# Altium PCB Tango V1.0.PcbDoc (part 2 of 3)
Units mm, origin at the board's own origin, x right, y up, seen from the top; angles counter-clockwise.
Board outline 150.29 x 75.25 mm, 4 copper layers (Top Layer, GND, VCC, Bottom Layer), stack 0.914 mm thick; 182 components, 171 nets, 697 pads, 545 vias.
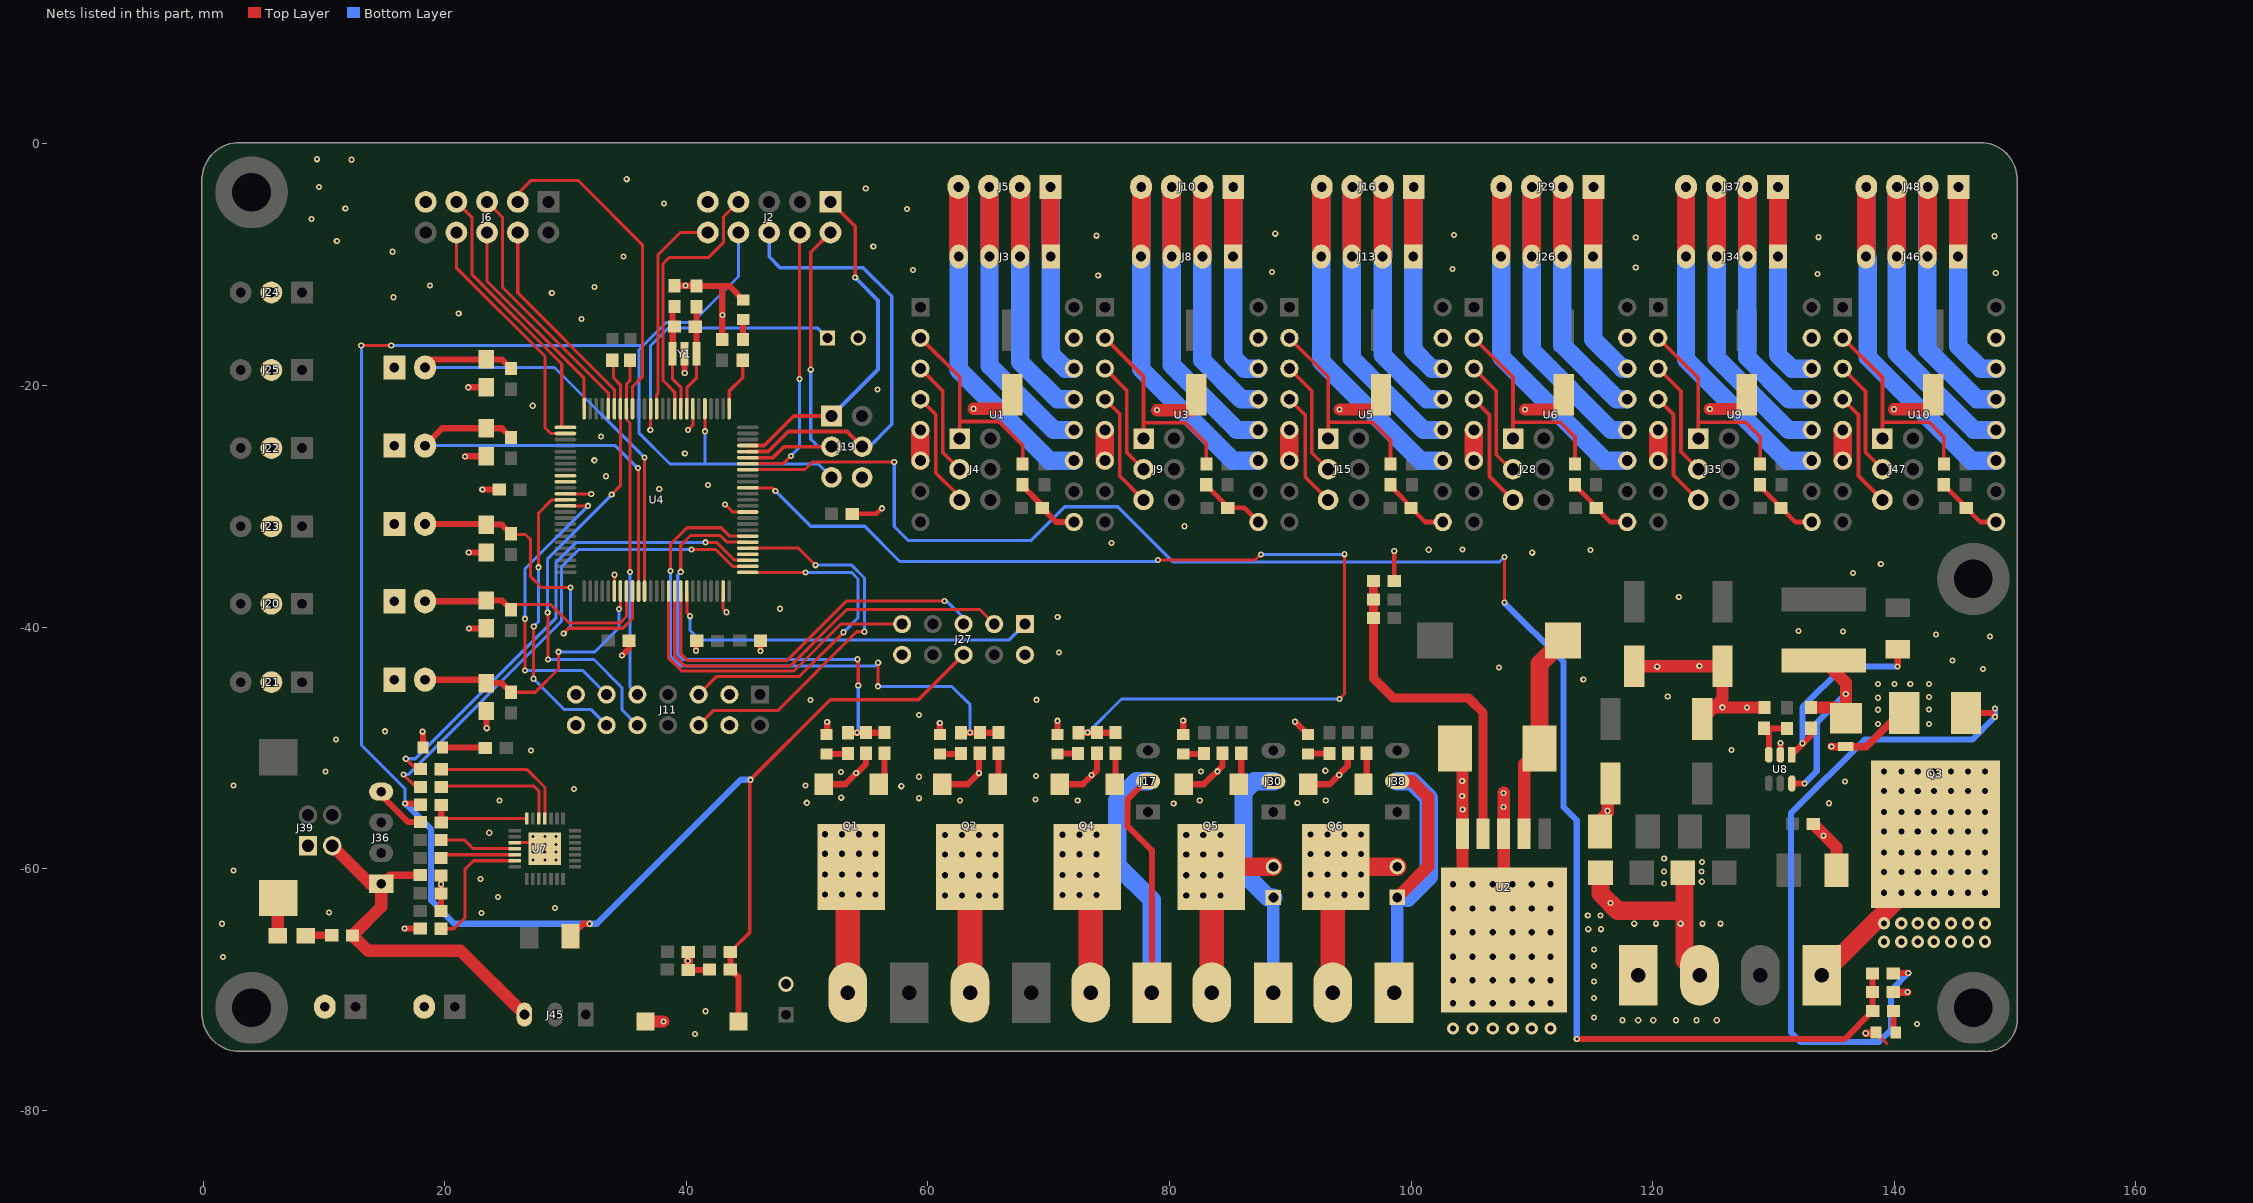
[diagram p4: the nets of this part, all layers, seen from the top]

## Via types
v1: diameter 0.508, hole 0.254, Top Layer to Bottom Layer, 362 vias
v2: diameter 1.016, hole 0.508, Top Layer to Bottom Layer, 180 vias
v3: diameter 0.8, hole 0.4, Top Layer to Bottom Layer, 3 vias

## Nets (pads, with @x,y where several pads share a name; then routed paths per layer and width w, separated by ;. In a path a pad name is that pad's centre, name@x,y a point inside that pad or via, vN(x,y) a via of type N, cw(c..) or ccw(c..) an arc to the next point about the centre after c; other vN are vias at no path point) (continued)
GND: C1.2 C2.2 C3.2 C4.2 C5.2 C6.2 C8.2 C9.2 C10.2 C11.1 C12.2 C13.2 C14.1 C15.1 C16.2 C17.2 C18.1 C19.2 C22.2 C23.2 C24.2 C25.2 C26.2 C27.2 C28.2 C29.2 C30.2 C32.2 C33.2 C34.1 C35.1 C36.1 C37.1 C38.1 D1.1 D2.2 D3.2 D4.2 D5.2 D7.2 D8.2 D11.1 D12.1 D13.2 D14.1 D15.2 J2.9 J6.9 J11.3 J11.4 J14.2 J19.6 J20.2 J21.2 J22.2 J23.2 J24.2 J25.2 J27.2 J27.10 J33.1 J36.4 J39.1 J42.2 J43.2 J44.2 J49.1 J50.1 J51.1 J52.1 J53.1 K1.1 Q1.S Q2.S Q3.S Q4.S Q5.S Q6.S R2.1 R5.2 R6.1 R9.1 R12.1 R15.1 R17.1 R26.1 R28.1 R31.1 R37.1 R39.1 R40.2 R43.1 R45.1 U1.9 U1.15 U2.3 U2.5 U2.6 U3.9 U3.15 U4.11 U4.32 U4.62 U4.81 U4.99 U5.9 U5.15 U6.9 U6.15 U7.0@28.287,-58.342 U7.3 U8.2 U9.9 U9.15 U10.9 U10.15 Y1.2 Z1.1 Z2.1 Z3.1 | length 214.6
  Top Layer w0.254: U7.3@25.787,-57.842 27.787,-57.842 U7.0@28.287,-58.342 ; U4.62@29.984,-28.965 v1(32.119,-28.965) ; U4.81@34.034,-37.015 v1(34.034,-35.66) v1@34.039,-35.655 ; v1(40.139,-23.684) 40.534,-23.289 U4.32@40.534,-21.915 ; U4.99@43.034,-37.015 43.034,-38.469 v1(43.333,-38.768) ; v1(43.19,-29.832) 43.823,-30.465 U4.11@45.084,-30.465 ; D4.2@138.498,-73.541 138.498,-73.577 139.386,-74.465
  Top Layer w0.381: C10.2@53.724,-30.625 55.718,-30.625 v1(56.183,-30.16) ; R9.1@83.035,-28.205 83.318,-28.488 83.318,-28.536 84.814,-30.032 C12.2@84.814,-30.13 86.181,-30.13 U3.9@87.346,-31.295 ; C13.2@97.509,-21.44 C13.2@97.509,-20.757 ; R17.1@98.287,-28.205 98.555,-28.473 98.555,-28.592 99.991,-30.028 C17.2@99.991,-30.13 101.156,-31.295 U5.9@102.617,-31.295 ; R5.2@98.602,-36.174 v1(98.602,-33.708) v1@98.615,-33.695 ; C19.2@112.465,-20.917 C19.2@112.625,-20.757 ; R28.1@113.551,-28.205 113.668,-28.322 113.668,-28.379 115.32,-30.032 C22.2@115.32,-30.13 116.485,-31.295 U6.9@117.889,-31.295 ; C27.2@127.653,-20.894 C27.2@127.791,-20.757 ; R39.1@128.886,-28.205 128.886,-28.39 C30.2@130.626,-30.13 131.79,-31.295 U9.9@133.16,-31.295 ; C32.2@143.214,-21.626 C32.2@143.214,-20.757 ; R45.1@144.093,-28.205 145.955,-30.067 C33.2@145.955,-30.131 147.119,-31.295 U10.9@148.432,-31.295
  Top Layer w0.508: J36.4@14.731,-53.622 14.731,-53.898 16.978,-56.146 R31.1@17.982,-56.146 ; v1@16.663,-64.957 v1(16.665,-64.96) C26.2@17.963,-64.96 ; v1(18.159,-48.654) 18.185,-48.68 D7.2@18.185,-49.964 ; Z3.1@19.683,-63.496 Z2.1@19.683,-62.042 Z1.1@19.683,-60.545 ; v1(21.679,-25.879) 21.709,-25.85 C35.1@23.438,-25.85 ; v1@21.918,-20.162 v1(21.936,-20.144) C34.1@23.438,-20.144 ; v1(21.982,-33.811) 23.429,-33.811 C36.1@23.438,-33.82 ; v1(22.015,-40.105) C37.1@23.438,-40.105 ; v1@23.096,-28.619 v1(23.102,-28.613) C11.1@24.506,-28.613 ; C38.1@23.438,-46.94 23.438,-48.332 v1(23.47,-48.365) ; v1(34.668,-42.347) 35.245,-41.769 C4.2@35.245,-41.126 ; C16.2@38.861,-11.736 C16.2@39.009,-11.736 40.812,-11.736 C18.1@40.831,-11.755 42.966,-11.755 ; Y1.2@39.854,-17.371 39.854,-18.966 v1(39.86,-18.972) ; C29.2@40.147,-68.366 C29.2@40.143,-68.37 41.887,-68.37 C14.1@41.916,-68.34 ; v1(40.785,-41.953) 40.785,-41.197 C3.2@40.855,-41.126 ; C15.1@42.967,-16.184 42.967,-11.756 42.966,-11.755 ; D5.2@44.706,-12.918 43.542,-11.755 42.966,-11.755 ; v1(46.137,-41.973) C2.2@46.137,-41.126 ; Q1.S@51.36,-53.002 53.164,-53.002 54.869,-51.298 R6.1@54.869,-50.439 ; D2.2@51.6,-48.874 51.654,-48.82 v1(51.654,-47.849) ; D3.2@60.977,-48.874 v1(60.977,-47.926) ; Q2.S@61.187,-53.002 63.303,-53.002 v1(64.214,-52.092) 64.214,-50.509 R12.1@64.283,-50.439 ; R2.1@67.824,-28.205 67.824,-28.31 69.454,-29.94 C8.2@69.454,-30.13 70.619,-31.295 U1.9@72.074,-31.295 ; D8.2@70.713,-48.874 v1(70.713,-47.752) ; Q4.S@70.895,-53.002 72.831,-53.002 73.994,-51.839 R26.1@73.994,-50.439 ; v1(81.128,-47.729) 81.133,-47.734 D13.2@81.133,-48.874 ; Q5.S@81.167,-53.002 82.843,-53.002 84.39,-51.456 R37.1@84.39,-50.439 ; v1(90.391,-47.835) 90.405,-47.835 D15.2@91.444,-48.874 ; Q6.S@91.48,-53.002 93.241,-53.002 94.756,-51.488 R43.1@94.756,-50.439 ; C13.2@97.383,-21.565 C13.2@97.509,-21.44 ; U8.2@130.565,-50.564 v1(130.565,-49.595)
  Top Layer w0.635: v1(134.783,-49.874) 134.82,-49.911 135.949,-49.911 D12.1@135.969,-49.891 137.686,-49.891 140.465,-47.112 Q3.S@140.825,-47.112 ; v1(137.633,-73.62) 138.419,-73.62 138.454,-73.585 D4.2@138.454,-73.391 ; R15.1@139.915,-70.218 v1(141.097,-70.218) v1@141.115,-70.236
  Top Layer w0.762: C29.2@40.147,-68.366 C28.2@40.147,-66.883
  Top Layer w1.016: K1.1@36.609,-72.636 36.59,-72.654 v1(38.089,-72.654) ; v1(63.765,-21.92) 66.448,-21.92 66.968,-21.4 C1.2@66.968,-20.757 ; v1(78.96,-22.016) 78.98,-22.037 81.944,-22.037 82.076,-21.905 81.869,-21.699 81.869,-21.09 C9.2@82.203,-20.757 ; v1(94.082,-21.974) 97.015,-21.974 97.116,-21.872 97.116,-21.832 C13.2@97.383,-21.565 ; D1.1@103.629,-50.063 104.258,-50.692 U2.5@104.258,-57.11 104.258,-62.49 U2.6@107.658,-65.89 ; U2.6@107.654,-66.5 107.685,-66.47 U2.6@107.685,-65.916 U2.6@107.658,-65.89 ; v1@107.673,-53.707 v1(107.658,-53.722) U2.3@107.658,-57.11 U2.6@107.658,-65.89 ; v1(109.425,-21.978) 112.224,-21.978 112.465,-21.736 C19.2@112.465,-20.917 ; D11.1@115.625,-56.922 115.625,-56.013 116.286,-55.352 116.286,-53.151 C6.2@116.5,-52.937 ; C5.2@118.48,-43.242 C25.2@125.774,-43.242 125.774,-45.924 125.05,-46.648 ; C24.2@124.095,-47.603 125.05,-46.648 ; v1(124.723,-21.934) 127.11,-21.934 127.901,-21.142 C27.2@127.653,-20.894 ; R40.2@129.236,-46.648 125.05,-46.648 ; C23.2@133.29,-56.289 135.22,-58.219 D14.1@135.22,-60.124 ; v1(139.967,-21.961) 142.88,-21.961 C32.2@143.214,-21.626
  Bottom Layer w0.254: v1@32.115,-28.961 v1(32.119,-28.965)
  other v1: 40.723,-73.692 141.879,-72.844 117.5,-72.544 118.803,-72.544 120.043,-72.544 115.127,-72.314 41.595,-71.797 115.127,-70.714 115.127,-69.337 115.127,-68.054 40.112,-67.623 1.634,-67.303 115.127,-66.688 1.559,-64.557 23.045,-63.674 10.4,-63.62 29.109,-63.248 24.416,-62.348 19.68,-61.283 22.941,-60.846 2.516,-60.137 27.295,-59.291 28.296,-59.291 29.205,-59.291 27.295,-58.612 28.296,-58.612 29.205,-58.612 27.295,-57.977 28.296,-57.977 29.205,-57.977 27.295,-57.333 28.296,-57.333 29.205,-57.333 134.129,-57.264 23.676,-57.02 116.266,-55.203 104.266,-55.099 107.639,-54.905 80.343,-54.592 134.6,-54.578 49.968,-54.543 90.574,-54.547 24.532,-54.366 62.638,-54.358 92.932,-54.36 72.394,-54.337 82.498,-54.346 68.903,-54.261 59.249,-54.162 52.813,-54.12 104.226,-53.974 30.693,-53.41 57.791,-53.167 2.499,-53.124 49.872,-53.11 135.93,-52.777 104.226,-52.743 59.249,-52.386 68.946,-52.309 73.529,-52.23 94.049,-52.232 54.057,-52.073 52.804,-51.991 10.111,-51.951 82.587,-51.955 83.956,-51.935 92.893,-51.891 27.135,-50.213 126.514,-50.181 10.989,-49.304 15.033,-48.623 142.878,-48.03 138.66,-48.02 59.259,-47.264 138.66,-46.836 142.878,-46.806 125.758,-46.634 127.817,-46.656 50.281,-46.02 68.992,-46.014 138.66,-45.845 142.878,-45.784 121.244,-45.732 138.66,-44.7 140.019,-44.7 141.325,-44.7 142.878,-44.7 114.251,-44.342 147.331,-43.46 107.268,-43.346 120.373,-43.274 123.855,-43.229 144.824,-42.76 70.855,-42.092 147.93,-40.783 143.457,-40.614 135.747,-40.373 132.071,-40.304 70.739,-39.148 47.761,-38.476 122.16,-37.493 136.565,-35.521 138.882,-34.785 110.021,-33.836 114.834,-33.607 101.458,-33.595 104.253,-33.582 75.184,-33.041 81.228,-31.644 37.753,-28.549 41.779,-28.238 33.33,-27.505 32.373,-26.188 39.866,-25.616 32.932,-24.213 27.278,-21.671 55.834,-20.338 31.305,-14.474 42.974,-14.168 21.149,-14.04 15.765,-12.688 28.855,-12.331 32.377,-11.846 18.776,-11.718 39.927,-11.702 74.092,-10.874 133.628,-10.75 148.397,-10.689 88.478,-10.601 58.764,-10.421 103.428,-10.355 118.596,-10.229 34.782,-9.319 15.673,-8.923 55.472,-8.49 11.057,-8.021 118.596,-7.746 133.735,-7.717 148.29,-7.638 73.947,-7.593 103.554,-7.542 88.751,-7.428 8.952,-6.217 58.248,-5.374 11.759,-5.347 38.158,-4.942 54.848,-3.694 9.588,-3.576 35.056,-2.915 12.277,-1.305 9.419,-1.26
  other v2: 103.457,-73.232 105.082,-73.232 106.761,-73.232 108.404,-73.232 109.982,-73.232 111.531,-73.232 103.457,-71.138 105.082,-71.138 106.761,-71.138 108.404,-71.138 109.982,-71.138 111.531,-71.138 103.457,-69.229 105.082,-69.229 106.761,-69.229 108.404,-69.229 109.982,-69.229 111.531,-69.229 103.457,-67.292 105.082,-67.292 106.761,-67.292 108.404,-67.292 109.982,-67.292 111.531,-67.292 103.457,-65.255 105.082,-65.255 106.761,-65.255 108.404,-65.255 109.982,-65.255 111.531,-65.255 103.457,-63.304 105.082,-63.304 106.761,-63.304 108.404,-63.304 109.982,-63.304 111.531,-63.304 103.457,-61.289 105.082,-61.289 106.761,-61.289 108.404,-61.289 109.982,-61.289 111.531,-61.289
HB: R13.2 R14.1 R15.2 U4.18 | length 142.9
  Top Layer w0.254: U4.18@45.084,-26.965 45.101,-26.948 49.819,-26.948 50.425,-26.342 57.205,-26.342 v1(57.207,-26.341) ; v1(107.722,-34.186) 107.725,-34.189 v1(107.725,-37.962)
  Top Layer w0.508: v1(113.715,-74.103) 135.886,-74.103 R14.1@138.214,-71.775 138.195,-71.756 R15.2@138.195,-70.208 R13.2@138.195,-68.665
  Bottom Layer w0.254: v1(57.207,-26.341) 57.207,-31.66 58.386,-32.84 68.513,-32.84 71.322,-30.031 75.709,-30.031 80.269,-34.591 107.318,-34.591 v1(107.722,-34.186)
  Bottom Layer w0.508: v1(107.725,-37.962) 112.622,-42.859 112.622,-54.896 113.715,-55.988 v1(113.715,-74.103)
HE-0: R3.2 R4.1 R6.2 U4.6 | length 39.5
  Top Layer w0.254: v1(39.53,-35.419) 39.53,-33.223 40.335,-32.418 42.814,-32.418 43.361,-32.965 U4.6@45.084,-32.965 ; v1(54.178,-42.657) 54.225,-42.704 v1(54.225,-44.828)
  Top Layer w0.508: R4.1@53.392,-48.738 56.377,-48.738 R3.2@56.396,-48.719
  Bottom Layer w0.254: v1(39.53,-35.419) 39.53,-35.44 39.285,-35.684 39.285,-42.256 39.695,-42.666 54.169,-42.666 v1(54.178,-42.657) ; v1(54.119,-48.739) 54.225,-48.633 v1(54.225,-44.828)
HE-1: R10.2 R11.1 R12.2 U4.7 | length 49.8
  Top Layer w0.254: v1(38.69,-35.353) 38.69,-33.132 40.05,-31.772 42.892,-31.772 43.585,-32.465 U4.7@45.084,-32.465 ; v1(55.874,-44.898) 55.877,-44.895 v1(55.877,-42.945)
  Top Layer w0.508: R11.1@62.749,-48.738 63.49,-48.738 65.823,-48.738 R10.2@65.842,-48.719
  Bottom Layer w0.254: v1(38.69,-35.353) 38.69,-42.393 39.522,-43.225 55.597,-43.225 v1(55.877,-42.945) ; v1(55.874,-44.898) 61.951,-44.898 63.49,-46.437 v1(63.49,-48.73)
HE-2: R22.2 R25.1 R26.2 U4.15 | length 89.4
  Top Layer w0.254: U4.15@45.084,-28.465 47.106,-28.465 v1(47.358,-28.716) ; v1(79.041,-34.448) 87.078,-34.448 87.548,-33.978 v1(87.554,-33.978) ; v1(94.061,-45.947) 94.48,-45.527 v1(94.48,-33.962)
  Top Layer w0.508: R25.1@72.444,-48.738 75.503,-48.738 R22.2@75.522,-48.719
  Bottom Layer w0.254: v1(47.358,-28.716) 50.29,-31.648 54.752,-31.648 57.671,-34.567 78.923,-34.567 v1(79.041,-34.448) ; v1(73.223,-48.737) 76.013,-45.947 v1(94.061,-45.947) ; v1(87.554,-33.978) 94.464,-33.978 v1(94.48,-33.962)
J-TCK: J27.1 U4.93 | length 32
  Top Layer w0.254: U4.93@40.034,-37.015 40.034,-38.774 40.295,-39.034 v1(40.295,-39.095)
  Bottom Layer w0.254: v1(40.295,-39.095) 40.295,-40.269 41.075,-41.049 66.72,-41.049 J27.1@68.023,-39.747
J-TDI: J27.9 U4.90 | length 26.9
  Top Layer w0.254: U4.90@38.534,-37.015 38.534,-42.564 39.603,-43.633 48.903,-43.633 52.789,-39.747 J27.9@57.863,-39.747
J-TDO: J27.3 U4.91 | length 34.6
  Top Layer w0.254: U4.91@39.034,-37.015 39.034,-42.413 39.822,-43.201 48.626,-43.201 53.298,-38.529 64.265,-38.529 J27.3@65.483,-39.747
J-TMS: J27.5 U4.92 | length 32
  Top Layer w0.254: U4.92@39.534,-37.015 39.534,-42.202 40.102,-42.769 48.317,-42.769 53.238,-37.849 v1(61.375,-37.849)
  Bottom Layer w0.254: v1(61.375,-37.849) 61.563,-37.849 62.943,-39.228 J27.5@62.943,-39.747
KILL: J2.10 U4.38 | length 17.7
  Top Layer w0.254: U4.38@37.534,-21.915 37.534,-20.759 37.647,-20.647 37.647,-9.168 39.486,-7.329 J2.10@41.769,-7.329
LCD-D4: J6.5 U4.46 | length 21.3
  Top Layer w0.254: J6.5@23.498,-4.789 24.774,-6.066 24.774,-11.848 33.534,-20.608 U4.46@33.534,-21.915
LCD-D5: J6.6 U4.50 | length 17.9
  Top Layer w0.254: J6.6@23.498,-7.329 23.498,-11.357 31.534,-19.393 U4.50@31.534,-21.915
LCD-D6: J6.7 U4.51 | length 22.5
  Top Layer w0.254: J6.7@20.958,-4.789 22.237,-6.069 22.237,-10.78 29.677,-18.219 29.677,-23.364 29.777,-23.465 U4.51@29.984,-23.465
LCD-D7: J6.8 U4.52 | length 21.1
  Top Layer w0.254: J6.8@20.958,-7.329 20.958,-10.244 28.304,-17.59 28.304,-23.513 28.755,-23.965 U4.52@29.984,-23.965
LCD-ENA: J6.3 U4.42 | length 27.5
  Top Layer w0.254: J6.3@26.038,-4.789 26.038,-4.118 27.119,-3.037 31.059,-3.037 36.351,-8.329 36.351,-19.273 35.534,-20.09 U4.42@35.534,-21.915
LCD-RS: J6.4 U4.45 | length 17.9
  Top Layer w0.254: J6.4@26.038,-7.329 26.038,-12.326 34.034,-20.322 U4.45@34.034,-21.915
LED: R18.2 U4.26 | length 4.5
  Top Layer w0.305: U4.26@43.534,-21.915 43.534,-20.48 44.665,-19.349 R18.2@44.665,-17.904
NetC7_1: C7.1 R5.1 R7.1 U2.4 | length 28.3
  Top Layer w0.762: R5.1@96.882,-36.184 R7.1@96.882,-37.711 C7.1@96.882,-39.246 96.882,-44.241 98.512,-45.871 104.747,-45.871 105.958,-47.082 U2.4@105.958,-57.11
NetC16_1: C16.1 R23.1 U4.34 Y1.3 | length 8.9
  Top Layer w0.254: Y1.3@38.863,-17.371 38.863,-19.478 39.534,-20.149 U4.34@39.534,-21.915
  Top Layer w0.508: C16.1@38.851,-13.456 38.851,-14.963 R23.1@39.01,-15.122 38.863,-15.268 Y1.3@38.863,-17.371
NetC18_2: C18.2 R23.2 U4.33 Y1.1 | length 8.9
  Top Layer w0.254: U4.33@40.034,-21.915 40.034,-20.169 40.844,-19.359 Y1.1@40.844,-17.371
  Top Layer w0.508: C18.2@40.821,-13.475 40.821,-15.041 R23.2@40.73,-15.132 40.844,-15.246 Y1.1@40.844,-17.371
NetC20_2: C20.2 R31.2 U7.28 | length 8.7
  Top Layer w0.254: R31.2@19.702,-56.156 20.015,-55.842 U7.28@26.787,-55.842
  Top Layer w0.508: R31.2@19.702,-56.156 C20.2@19.702,-54.711
NetC21_1: C21.1 D9.2 U8.1 | length 16.5
  Top Layer w0.508: U8.1@131.515,-50.564 133.109,-48.971 C21.1@133.109,-48.368 ; v1(140.259,-43.259) 140.288,-43.23 D9.2@140.288,-41.83
  Bottom Layer w0.508: v1(132.392,-49.613) 132.392,-46.646 135.779,-43.259 v1(140.259,-43.259)
NetC21_2: C21.2 D12.2 L2.1 U8.6 | length 18.7
  Top Layer w0.508: U8.6@131.515,-52.939 132.548,-52.939 v1(132.562,-52.953)
  Top Layer w1.016: C21.2@133.119,-46.648 135.102,-46.648 D12.2@135.994,-47.54 135.994,-44.614 L2.1@134.144,-42.764
  Bottom Layer w0.508: v1(132.562,-52.953) 133.584,-51.93 133.584,-47.925 v1(135.979,-45.531)
NetC26_1: C26.1 U7.6 | length 10.8
  Top Layer w0.254: C26.1@19.683,-64.97 20.765,-64.97 21.657,-64.078 21.657,-60.063 22.377,-59.342 U7.6@25.787,-59.342
NetC31_1: C31.1 LV1.1 | length 2.2
  Top Layer w0.635: LV1.1@8.485,-65.549 8.529,-65.506 C31.1@10.642,-65.506
NetD1_2: D1.2 L1.1 U2.2 | length 17.3
  Top Layer w1.016: U2.2@109.358,-57.11 109.358,-51.333 D1.2@110.629,-50.063
  Top Layer w1.524: D1.2@110.629,-50.063 110.629,-43.041 L1.1@112.569,-41.101
NetD2_1: D2.1 R4.2 | length 1.8
  Top Layer w0.508: D2.1@51.6,-50.5 53.341,-50.5 R4.2@53.382,-50.458
NetD3_1: D3.1 R11.2 | length 1.8
  Top Layer w0.508: D3.1@60.977,-50.5 62.698,-50.5 R11.2@62.739,-50.458
NetD4_1: D4.1 R14.2 | length 1.8
  Top Layer w0.508: R14.2@139.934,-71.785 139.934,-73.352 D4.1@140.123,-73.541
NetD5_1: D5.1 R18.1 | length 1.7
  Top Layer w0.508: R18.1@44.675,-16.184 44.675,-14.575 D5.1@44.706,-14.544
NetD7_1: D7.1 R24.1 | length 3.6
  Top Layer w0.508: D7.1@19.81,-49.964 23.311,-49.964 R24.1@23.354,-50.007
NetD8_1: D8.1 R25.2 | length 1.7
  Top Layer w0.508: D8.1@70.713,-50.5 70.754,-50.458 R25.2@72.434,-50.458
NetD13_1: D13.1 R36.2 | length 1.7
  Top Layer w0.508: D13.1@81.133,-50.5 82.822,-50.5 R36.2@82.864,-50.458
NetD15_1: D15.1 R42.2 | length 1.8
  Top Layer w0.508: D15.1@91.444,-50.5 91.486,-50.458 R42.2@93.228,-50.458
NetF1_2: F1.2 F2.2 J33.2 | length 18.3
  Top Layer w1.524: F1.2@115.674,-60.327 115.674,-62.05 117.103,-63.479 122.628,-63.479 ; F2.2@122.498,-60.327 122.628,-60.456 122.628,-63.479 ; J33.2@123.873,-68.82 122.628,-67.574 122.628,-63.479
  other v1: 121.935,-72.544 123.615,-72.544 125.303,-72.544 114.662,-65.007 115.728,-65.007 118.468,-64.552 120.268,-64.552 122.316,-64.552 124.131,-64.552 125.597,-64.552 114.623,-63.863 115.676,-63.863 116.514,-62.846 120.932,-61.221 124.064,-61.079 124.044,-60.225 120.92,-60.22 124.067,-59.444 120.948,-59.167
NetJ1_2: J1.2 Q1.D | length 10.5
  Top Layer w2.032: J1.2@53.369,-70.259 53.369,-60.137 Q1.D@53.646,-59.86
  other v2: 51.468,-62.145 52.878,-62.145 54.291,-62.145 55.663,-62.145 51.468,-60.477 52.878,-60.477 54.291,-60.477 55.663,-60.477 51.468,-58.76 52.878,-58.76 54.291,-58.76 55.663,-58.76 51.468,-57.142 52.878,-57.142 54.291,-57.142 55.663,-57.142
NetJ3_1: J3.1 J5.1 U1.14 | length 22
  Top Layer w1.524: J5.1@70.139,-3.555 70.139,-9.295 J3.1@70.168,-9.324
  Bottom Layer w1.524: J5.1@70.139,-3.555 70.168,-3.584 J3.1@70.168,-9.324 70.168,-17.405 71.358,-18.595 U1.14@72.074,-18.595
NetJ3_2: J3.2 J5.2 U1.13 | length 26
  Top Layer w1.524: J5.2@67.599,-3.555 67.628,-3.584 J3.2@67.628,-9.324
  Bottom Layer w1.524: J5.2@67.599,-3.555 67.628,-3.584 J3.2@67.628,-9.324 67.628,-18.051 70.712,-21.135 U1.13@72.074,-21.135
NetJ3_3: J3.3 J5.3 U1.12 | length 29.8
  Top Layer w1.524: J5.3@65.059,-3.555 65.088,-3.584 J3.3@65.088,-9.324
  Bottom Layer w1.524: J5.3@65.059,-3.555 65.088,-3.584 J3.3@65.088,-9.324 65.088,-18.349 70.415,-23.675 U1.12@72.074,-23.675
NetJ3_4: J3.4 J5.4 U1.11 | length 33.6
  Top Layer w1.524: J5.4@62.519,-3.555 62.519,-9.295 J3.4@62.548,-9.324
  Bottom Layer w1.524: J5.4@62.519,-3.555 62.548,-3.584 J3.4@62.548,-9.324 62.548,-18.694 70.07,-26.215 U1.11@72.074,-26.215
NetJ4_1: J4.1 R2.2 U1.2 | length 17.3
  Top Layer w0.305: U1.2@59.374,-16.055 62.619,-19.3 62.619,-22.974 ; J4.1@62.619,-24.386 62.619,-22.974 ; R2.2@67.834,-26.485 67.834,-24.937 65.87,-22.974 62.619,-22.974
NetJ4_2: J4.2 U1.3 | length 9.7
  Top Layer w0.305: U1.3@59.374,-18.595 61.209,-20.431 61.209,-25.517 J4.2@62.619,-26.926
NetJ4_3: J4.3 U1.4 | length 9.7
  Top Layer w0.305: U1.4@59.374,-21.135 60.638,-22.399 60.638,-27.229 62.619,-29.21 J4.3@62.619,-29.466
NetJ7_2: J7.2 Q2.D | length 10.4
  Top Layer w2.032: Q2.D@63.473,-59.86 63.479,-59.866 63.479,-60.541 J7.2@63.479,-70.259
  other v2: 61.399,-62.209 62.809,-62.209 64.222,-62.209 65.594,-62.209 61.399,-60.541 62.809,-60.541 64.222,-60.541 65.594,-60.541 61.399,-58.824 62.809,-58.824 64.222,-58.824 65.594,-58.824 61.399,-57.206 62.809,-57.206 64.222,-57.206 65.594,-57.206
NetJ8_1: J8.1 J10.1 U3.14 | length 22.3
  Top Layer w1.524: J8.1@85.261,-9.324 J10.1@85.261,-3.555
  Bottom Layer w1.524: J10.1@85.261,-3.555 J8.1@85.261,-9.324 85.261,-17.658 86.199,-18.595 U3.14@87.346,-18.595
NetJ8_2: J8.2 J10.2 U3.13 | length 26.1
  Top Layer w1.524: J8.2@82.721,-9.324 J10.2@82.721,-3.555
  Bottom Layer w1.524: J10.2@82.721,-3.555 J8.2@82.721,-9.324 82.721,-17.919 85.938,-21.135 U3.13@87.346,-21.135
NetJ8_3: J8.3 J10.3 U3.12 | length 29.9
  Top Layer w1.524: J8.3@80.181,-9.324 J10.3@80.181,-3.555
  Bottom Layer w1.524: J10.3@80.181,-3.555 J8.3@80.181,-9.324 80.181,-18.284 85.572,-23.675 U3.12@87.346,-23.675
NetJ8_4: J8.4 J10.4 U3.11 | length 33.7
  Top Layer w1.524: J8.4@77.641,-9.324 J10.4@77.641,-3.555
  Bottom Layer w1.524: J10.4@77.641,-3.555 J8.4@77.641,-9.324 77.641,-18.631 85.226,-26.215 U3.11@87.346,-26.215
NetJ9_1: J9.1 R9.2 U3.2 | length 17.2
  Top Layer w0.305: U3.2@74.646,-16.055 77.844,-19.253 77.844,-22.997 ; J9.1@77.844,-24.386 77.844,-23.074 81.323,-23.074 83.045,-24.796 R9.2@83.045,-26.485
NetJ9_2: J9.2 U3.3 | length 9.7
  Top Layer w0.305: U3.3@74.646,-18.595 76.459,-20.409 76.459,-25.542 J9.2@77.844,-26.926
NetJ9_3: J9.3 U3.4 | length 9.7
  Top Layer w0.305: U3.4@74.646,-21.135 75.868,-22.358 75.868,-27.491 J9.3@77.844,-29.466
NetJ12_1: J12.1 Q3.D | length 15.6
  Top Layer w1.524: J12.1@133.986,-68.82 143.401,-59.405 Q3.D@143.401,-57.153
  other v2: 139.153,-66.045 140.581,-66.045 141.937,-66.045 143.274,-66.045 144.693,-66.045 146.103,-66.045 147.517,-66.045 139.153,-64.522 140.581,-64.522 141.937,-64.522 143.274,-64.522 144.693,-64.522 146.103,-64.522 147.517,-64.522 139.153,-61.983 140.581,-61.983 141.937,-61.983 143.274,-61.983 144.693,-61.983 146.103,-61.983 147.517,-61.983 139.153,-60.266 140.581,-60.266 141.937,-60.266 143.274,-60.266 144.693,-60.266 146.103,-60.266 147.517,-60.266 139.153,-58.649 140.581,-58.649 141.937,-58.649 143.274,-58.649 144.693,-58.649 146.103,-58.649 147.517,-58.649 139.153,-56.928 140.581,-56.928 141.937,-56.928 143.274,-56.928 144.693,-56.928 146.103,-56.928 147.517,-56.928 139.153,-55.292 140.581,-55.292 141.937,-55.292 143.274,-55.292 144.693,-55.292 146.103,-55.292 147.517,-55.292 139.153,-53.575 140.581,-53.575 141.937,-53.575 143.274,-53.575 144.693,-53.575 146.103,-53.575 147.517,-53.575 139.153,-51.958 140.581,-51.958 141.937,-51.958 143.274,-51.958 144.693,-51.958 146.103,-51.958 147.517,-51.958
NetJ13_1: J13.1 J16.1 U5.14 | length 22.4
  Top Layer w1.524: J13.1@100.174,-9.324 100.174,-3.606 J16.1@100.225,-3.555
  Bottom Layer w1.524: J16.1@100.225,-3.555 100.174,-3.606 J13.1@100.174,-9.324 100.174,-17.074 101.696,-18.595 U5.14@102.617,-18.595
NetJ13_2: J13.2 J16.2 U5.13 | length 26.2
  Top Layer w1.524: J13.2@97.634,-9.324 97.634,-3.606 J16.2@97.685,-3.555
  Bottom Layer w1.524: J16.2@97.685,-3.555 97.685,-9.273 J13.2@97.634,-9.324 97.634,-17.47 101.3,-21.135 U5.13@102.617,-21.135
NetJ13_3: J13.3 J16.3 U5.12 | length 30
  Top Layer w1.524: J13.3@95.094,-9.324 95.094,-3.606 J16.3@95.145,-3.555
  Bottom Layer w1.524: J16.3@95.145,-3.555 95.094,-3.606 J13.3@95.094,-9.324 95.094,-17.748 101.021,-23.675 U5.12@102.617,-23.675
NetJ13_4: J13.4 J16.4 U5.11 | length 33.7
  Top Layer w1.524: J13.4@92.554,-9.324 92.554,-3.606 J16.4@92.605,-3.555
  Bottom Layer w1.524: J16.4@92.605,-3.555 92.554,-3.606 J13.4@92.554,-9.324 92.554,-18.01 100.759,-26.215 U5.11@102.617,-26.215
NetJ15_1: J15.1 R17.2 U5.2 | length 17.4
  Top Layer w0.305: U5.2@89.917,-16.055 93.129,-19.267 93.129,-23.038 ; J15.1@93.129,-24.386 93.129,-23.038 ; R17.2@98.297,-26.485 98.297,-24.528 96.807,-23.038 93.129,-23.038
NetJ15_2: J15.2 U5.3 | length 9.7
  Top Layer w0.305: U5.3@89.917,-18.595 91.768,-20.446 91.768,-25.565 J15.2@93.129,-26.926
NetJ15_3: J15.3 U5.4 | length 9.7
  Top Layer w0.305: U5.4@89.917,-21.135 91.225,-22.443 91.225,-27.562 J15.3@93.129,-29.466
NetJ17_2: J17.2 J18.1 | length 39.5
  Top Layer w0.508: J17.2@78.221,-52.762 78.014,-52.762 76.531,-54.245 76.531,-56.48 78.541,-58.489 J18.1@78.541,-70.259
  Bottom Layer w1.524: J17.2@78.221,-52.762 77.262,-52.762 75.659,-54.365 75.659,-59.705 78.541,-62.588 J18.1@78.541,-70.259
NetJ18_2: J18.2 Q4.D | length 10.5
  Top Layer w2.032: Q4.D@73.181,-59.86 73.461,-60.14 J18.2@73.461,-70.259
  other v2: 71.122,-62.186 72.532,-62.186 73.945,-62.186 71.122,-60.518 72.532,-60.518 73.945,-60.518 71.122,-58.8 72.532,-58.8 73.945,-58.8 71.122,-57.183 72.532,-57.183 73.945,-57.183
NetJ26_1: J26.1 J29.1 U6.14 | length 22.2
  Top Layer w1.524: J26.1@115.064,-9.324 115.064,-3.58 J29.1@115.09,-3.555
  Bottom Layer w1.524: J29.1@115.09,-3.555 115.09,-9.299 J26.1@115.064,-9.324 115.064,-16.164 117.496,-18.595 U6.14@117.889,-18.595
NetJ26_2: J26.2 J29.2 U6.13 | length 26.1
  Top Layer w1.524: J26.2@112.524,-9.324 112.524,-3.58 J29.2@112.55,-3.555
  Bottom Layer w1.524: J29.2@112.55,-3.555 112.524,-3.58 J26.2@112.524,-9.324 112.524,-16.641 117.019,-21.135 U6.13@117.889,-21.135
NetJ26_3: J26.3 J29.3 U6.12 | length 30
  Top Layer w1.524: J26.3@109.984,-9.324 109.984,-3.58 J29.3@110.01,-3.555
  Bottom Layer w1.524: J29.3@110.01,-3.555 109.984,-3.58 J26.3@109.984,-9.324 109.984,-17.101 116.558,-23.675 U6.12@117.889,-23.675
NetJ26_4: J26.4 J29.4 U6.11 | length 33.9
  Top Layer w1.524: J26.4@107.444,-9.324 107.444,-3.58 J29.4@107.47,-3.555
  Bottom Layer w1.524: J29.4@107.47,-3.555 107.444,-3.58 J26.4@107.444,-9.324 107.444,-17.611 116.049,-26.215 U6.11@117.889,-26.215
NetJ28_1: J28.1 R28.2 U6.2 | length 17.5
  Top Layer w0.305: U6.2@105.189,-16.055 108.437,-19.304 108.437,-23.004 ; J28.1@108.437,-24.386 108.437,-23.004 ; R28.2@113.561,-26.485 113.561,-24.262 112.337,-23.038 108.471,-23.038 108.437,-23.004
NetJ28_2: J28.2 U6.3 | length 9.8
  Top Layer w0.305: U6.3@105.189,-18.595 107.042,-20.449 107.042,-25.718 108.251,-26.926 J28.2@108.437,-26.926
NetJ28_3: J28.3 U6.4 | length 9.7
  Top Layer w0.305: U6.4@105.189,-21.135 106.492,-22.439 106.492,-27.521 J28.3@108.437,-29.466
NetJ30_2: J30.2 J31.1 J32.1 | length 20.7
  Bottom Layer w1.016: J31.1@88.574,-70.259 88.574,-62.398 J32.1@88.593,-62.379
  Bottom Layer w1.524: J30.2@88.59,-52.762 86.99,-52.762 86.117,-53.636 86.117,-60.339 88.157,-62.379 J32.1@88.593,-62.379
NetJ31_2: J31.2 J32.2 Q5.D | length 15.6
  Top Layer w1.524: Q5.D@83.453,-59.86 83.475,-59.839 J32.2@88.593,-59.839
  Top Layer w2.032: Q5.D@83.453,-59.86 83.494,-59.901 J31.2@83.494,-70.259
  other v2: 81.381,-62.203 82.791,-62.203 84.205,-62.203 81.381,-60.535 82.791,-60.535 84.205,-60.535 81.381,-58.818 82.791,-58.818 84.205,-58.818 81.381,-57.2 82.791,-57.2 84.205,-57.2
NetJ34_1: J34.1 J37.1 U9.14 | length 22.9
  Top Layer w1.524: J34.1@130.374,-9.324 J37.1@130.374,-3.555
  Bottom Layer w1.524: J37.1@130.374,-3.555 J34.1@130.374,-9.324 130.374,-17.459 131.51,-18.595 U9.14@133.16,-18.595
NetJ34_2: J34.2 J37.2 U9.13 | length 26.6
  Top Layer w1.524: J34.2@127.834,-9.324 J37.2@127.834,-3.555
  Bottom Layer w1.524: J37.2@127.834,-3.555 J34.2@127.834,-9.324 127.834,-17.666 131.303,-21.135 U9.13@133.16,-21.135
NetJ34_3: J34.3 J37.3 U9.12 | length 30.3
  Top Layer w1.524: J34.3@125.294,-9.324 J37.3@125.294,-3.555
  Bottom Layer w1.524: J37.3@125.294,-3.555 J34.3@125.294,-9.324 125.294,-17.729 131.239,-23.675 U9.12@133.16,-23.675
NetJ34_4: J34.4 J37.4 U9.11 | length 33.9
  Top Layer w1.524: J34.4@122.754,-9.324 J37.4@122.754,-3.555
  Bottom Layer w1.524: J37.4@122.754,-3.555 J34.4@122.754,-9.324 122.754,-17.839 131.13,-26.215 U9.11@133.16,-26.215
NetJ35_1: J35.1 R39.2 U9.2 | length 17.6
  Top Layer w0.305: U9.2@120.46,-16.055 123.774,-19.369 123.774,-23.01 ; J35.1@123.774,-24.386 123.774,-23.01 ; R39.2@128.896,-26.485 128.896,-24.259 127.671,-23.035 123.799,-23.035 123.774,-23.01
NetJ35_2: J35.2 U9.3 | length 9.7
  Top Layer w0.305: U9.3@120.46,-18.595 122.335,-20.47 122.335,-25.488 J35.2@123.774,-26.926
NetJ35_3: J35.3 U9.4 | length 9.7
  Top Layer w0.305: U9.4@120.46,-21.135 121.725,-22.4 121.725,-27.417 J35.3@123.774,-29.466
NetJ38_2: J38.2 J40.1 J41.1 | length 32.6
  Top Layer w1.016: J41.1@98.849,-62.373 101.405,-59.817 101.405,-54.078 100.088,-52.762 J38.2@98.849,-52.762
  Bottom Layer w1.016: J40.1@98.581,-70.259 98.849,-69.992 J41.1@98.849,-62.373
  Bottom Layer w1.524: J38.2@98.849,-52.762 100.066,-52.762 101.465,-54.162 101.465,-60.647 99.71,-62.401
NetJ39_5: J39.5 LV1.2 | length 3.1
  Top Layer w0.508: J39.5@6.174,-62.455 J39.5@6.2,-62.429
  Top Layer w1.016: LV1.2@6.174,-65.549 J39.5@6.174,-62.455
NetJ40_2: J40.2 J41.2 Q6.D | length 15.6
  Top Layer w1.524: Q6.D@93.501,-60.125 Q6.D@93.766,-59.86 93.794,-59.833 J41.2@98.849,-59.833
  Top Layer w2.032: J40.2@93.501,-70.259 Q6.D@93.501,-60.125
  other v2: 91.654,-62.158 93.064,-62.158 94.477,-62.158 95.849,-62.158 91.654,-60.49 93.064,-60.49 94.477,-60.49 95.849,-60.49 91.654,-58.773 93.064,-58.773 94.477,-58.773 95.849,-58.773 91.654,-57.155 93.064,-57.155 94.477,-57.155 95.849,-57.155
NetJ46_1: J46.1 J48.1 U10.14 | length 22.9
  Top Layer w1.524: J46.1@145.282,-9.324 145.282,-3.58 J48.1@145.308,-3.555
  Bottom Layer w1.524: J48.1@145.308,-3.555 145.282,-3.58 J46.1@145.282,-9.324 145.282,-16.727 147.151,-18.595 U10.14@148.432,-18.595
NetJ46_2: J46.2 J48.2 U10.13 | length 26.7
  Top Layer w1.524: J46.2@142.742,-9.324 142.768,-9.299 J48.2@142.768,-3.555
  Bottom Layer w1.524: J48.2@142.768,-3.555 142.742,-3.58 J46.2@142.742,-9.324 142.742,-17.041 146.837,-21.135 U10.13@148.432,-21.135
NetJ46_3: J46.3 J48.3 U10.12 | length 30.4
  Top Layer w1.524: J46.3@140.202,-9.324 140.202,-3.58 J48.3@140.228,-3.555
  Bottom Layer w1.524: J48.3@140.228,-3.555 140.202,-3.58 J46.3@140.202,-9.324 140.202,-17.288 146.589,-23.675 U10.12@148.432,-23.675
NetJ46_4: J46.4 J48.4 U10.11 | length 34.1
  Top Layer w1.524: J46.4@137.662,-9.324 137.662,-3.58 J48.4@137.688,-3.555
  Bottom Layer w1.524: J48.4@137.688,-3.555 137.662,-3.58 J46.4@137.662,-9.324 137.815,-9.477 137.815,-17.663 146.367,-26.215 U10.11@148.432,-26.215
NetJ47_1: J47.1 R45.2 U10.2 | length 17.5
  Top Layer w0.305: U10.2@135.732,-16.055 139.015,-19.339 139.015,-23.044 ; J47.1@139.015,-24.386 139.015,-23.044 ; R45.2@144.103,-26.485 144.103,-24.254 142.893,-23.044 139.015,-23.044
NetJ47_2: J47.2 U10.3 | length 9.7
  Top Layer w0.305: U10.3@135.732,-18.595 137.608,-20.471 137.608,-25.519 J47.2@139.015,-26.926
NetJ47_3: J47.3 U10.4 | length 9.7
  Top Layer w0.305: U10.4@135.732,-21.135 137.037,-22.441 137.037,-27.488 J47.3@139.015,-29.466
NetQ1_G: Q1.G R3.1 | length 2.8
  Top Layer w0.508: Q1.G@55.932,-53.002 56.386,-52.548 R3.1@56.386,-50.439
NetQ2_G: Q2.G R10.1 | length 2.6
  Top Layer w0.508: Q2.G@65.759,-53.002 65.832,-52.93 R10.1@65.832,-50.439
NetQ3_G: Q3.G R13.1 | length 57.1
  Top Layer w0.508: R13.1@139.915,-68.675 139.966,-68.624 v1(141.155,-68.624) ; Q3.G@145.941,-47.112 148.026,-47.112 v1(148.337,-47.423)
  Bottom Layer w0.508: v1(141.155,-68.624) 139.728,-70.05 139.728,-73.32 138.717,-74.332 132.23,-74.332 131.441,-73.543 131.441,-55.409 137.539,-49.311 146.449,-49.311 v1(148.337,-47.423) 148.337,-46.742 v1@148.338,-46.741
  other v1: 148.341,-46.734
NetQ4_G: Q4.G R22.1 | length 2.6
  Top Layer w0.508: Q4.G@75.467,-53.002 75.512,-52.958 R22.1@75.512,-50.439
NetQ5_G: Q5.G R33.1 | length 2.6
  Top Layer w0.508: Q5.G@85.739,-53.002 85.934,-52.807 R33.1@85.934,-50.439
NetQ6_G: Q6.G R41.1 | length 2.7
  Top Layer w0.508: Q6.G@96.052,-53.002 96.321,-52.734 R41.1@96.321,-50.439
NetR29_2: R29.2 U7.25 | length 11.8
  Top Layer w0.254: R29.2@19.702,-51.767 26.774,-51.767 28.287,-53.28 U7.25@28.287,-55.842
NetR30_2: R30.2 U7.26 | length 10.6
  Top Layer w0.254: R30.2@19.702,-53.233 19.771,-53.163 27.383,-53.163 27.787,-53.567 U7.26@27.787,-55.842
NetR32_1: R32.1 U7.4 | length 6.4
  Top Layer w0.254: R32.1@19.683,-57.634 21.639,-57.634 22.348,-58.342 U7.4@25.787,-58.342
NetR34_1: R34.1 U7.5 | length 6.2
  Top Layer w0.254: R34.1@19.683,-59.112 19.952,-58.842 U7.5@25.787,-58.842
NetR35_2: R35.2 R40.1 U8.3 | length 4.2
  Top Layer w0.508: R40.1@129.226,-48.368 R40.1@129.245,-48.387 ; U8.3@129.615,-50.564 129.615,-48.756 R40.1@129.245,-48.387 ; R35.2@131.113,-48.387 R40.1@129.245,-48.387
NetU1_5: U1.5 U1.6 | length 2.5
  Top Layer w1.524: U1.6@59.374,-26.215 U1.5@59.374,-23.675
NetU3_5: U3.5 U3.6 | length 2.5
  Top Layer w1.524: U3.6@74.646,-26.215 U3.5@74.646,-23.675
NetU5_5: U5.5 U5.6 | length 2.5
  Top Layer w1.524: U5.6@89.917,-26.215 U5.5@89.917,-23.675
NetU6_5: U6.5 U6.6 | length 2.5
  Top Layer w1.524: U6.6@105.189,-26.215 U6.5@105.189,-23.675
NetU9_5: U9.5 U9.6 | length 2.5
  Top Layer w1.524: U9.6@120.46,-26.215 U9.5@120.46,-23.675
NetU10_5: U10.5 U10.6 | length 2.5
  Top Layer w1.524: U10.6@135.732,-26.215 U10.5@135.732,-23.675
PB1(SCK): J2.2 J19.3 U4.20 | length 27.1
  Top Layer w0.305: U4.20@45.084,-25.965 47.169,-25.965 48.073,-25.06 J19.3@52.01,-25.06 ; v1(50.292,-18.688) 50.292,-8.966 J2.2@51.929,-7.329
  Bottom Layer w0.254: 50.292,-24.43 50.922,-25.06 J19.3@52.01,-25.06
  Bottom Layer w0.305: 50.292,-24.43 v1(50.292,-18.688)
PB2(MOSI): J2.6 J19.4 U4.21 | length 38
  Top Layer w0.305: U4.21@45.084,-25.465 46.777,-25.465 48.433,-23.808 53.298,-23.808 J19.4@54.55,-25.06
  Bottom Layer w0.305: J2.6@46.849,-7.329 46.849,-9.332 47.775,-10.258 54.65,-10.258 57.002,-12.61 57.002,-23.209 55.151,-25.06 J19.4@54.55,-25.06
PB3(MISO): J2.1 J19.1 U4.22 | length 28.9
  Top Layer w0.305: U4.22@45.084,-24.965 46.438,-24.965 48.882,-22.52 J19.1@52.01,-22.52 ; J2.1@51.929,-4.789 53.972,-6.833 v1(53.972,-11.055)
  Bottom Layer w0.305: J19.1@52.01,-22.52 55.866,-18.664 55.866,-12.949 v1(53.972,-11.055)
PC6: J11.14
PC7: J11.13
PJ0: J11.12 U4.63 | length 24.2
  Top Layer w0.254: v1(27.344,-44.274) 27.344,-39.952 v1(27.36,-39.937) ; v1(27.764,-35.044) 27.764,-30.543 28.843,-29.465 U4.63@29.984,-29.465
  Bottom Layer w0.254: v1(27.344,-44.274) 29.905,-46.835 32.116,-46.835 J11.12@33.397,-48.116 ; v1(27.36,-39.937) 27.764,-39.533 v1(27.764,-35.044)
PJ1: J11.11 U4.64 | length 25.3
  Top Layer w0.254: v1(26.644,-39.309) 26.65,-39.316 v1(26.65,-43.592) ; U4.64@29.984,-29.965 29.996,-29.953 v1(31.862,-29.953)
  Bottom Layer w0.254: v1(26.644,-39.309) 26.644,-35.172 v1(31.862,-29.953) ; v1(26.65,-43.592) 31.413,-43.592 J11.11@33.397,-45.576
PS-ON: J14.1 U4.39 | length 24.4
  Top Layer w0.254: v1(37.009,-23.664) 37.034,-23.638 U4.39@37.034,-21.915
  Bottom Layer w0.254: v1(37.009,-23.664) 37.009,-16.718 38.51,-15.217 50.843,-15.217 J14.1@51.683,-16.057
PWM-1: J11.5 U4.1 | length 28.4
  Top Layer w0.254: J11.5@41.017,-45.576 42.524,-44.07 49.369,-44.07 v1(53.015,-40.424) ; U4.1@45.084,-35.465 v1(49.844,-35.465)
  Bottom Layer w0.254: v1(49.844,-35.465) 53.66,-35.465 54.21,-36.015 54.21,-39.229 v1(53.015,-40.424)
PWM-2: J11.6 U4.5 | length 32.1
  Top Layer w0.254: J11.6@41.017,-48.116 42.224,-46.909 47.55,-46.909 54.079,-40.381 v1(54.739,-40.381) ; U4.5@45.084,-33.465 49.283,-33.465 v1(50.692,-34.873)
  Bottom Layer w0.254: v1(50.692,-34.873) 53.679,-34.873 54.739,-35.933 v1(54.739,-40.381)
RC6: U4.59
RC7: U4.60
RESET: C14.2 C20.1 D6.1 J2.8 J19.5 J27.6 K1.2 R19.2 U4.30 | length 193.5
  Top Layer w0.254: v1(13.079,-16.67) 15.556,-16.67 v1(15.564,-16.678) ; v1(41.534,-23.786) U4.30@41.534,-21.915
  Top Layer w0.305: R19.2@43.634,-66.882 45.256,-65.26 45.256,-52.662 51.902,-46.015 59.214,-46.015 J27.6@62.943,-42.287
  Top Layer w0.508: v1(16.72,-54.597) 17.878,-54.597 C20.1@17.982,-54.701 ; D6.1@30.403,-65.591 31.441,-64.554 v1(31.992,-64.554) ; R19.2@43.634,-66.882 43.636,-66.884 C14.2@43.636,-68.35 43.98,-68.693 44.063,-68.693 44.309,-68.938 K1.2@44.309,-72.636
  Bottom Layer w0.254: v1(13.079,-16.67) 13.114,-16.705 13.114,-49.791 16.72,-53.397 v1(16.72,-54.597) ; v1(15.564,-16.678) 36.438,-16.678 ; v1(41.534,-23.786) 41.534,-26.475 41.557,-26.497 ; J2.8@44.309,-7.329 44.309,-10.975 40.499,-14.785 38.331,-14.785 36.438,-16.678 ; J19.5@52.01,-27.6 50.907,-26.497 41.557,-26.497 ; 36.438,-16.678 36.058,-17.058 36.058,-23.909 38.647,-26.497 41.557,-26.497
  Bottom Layer w0.508: v1(16.72,-54.597) 18.864,-56.741 18.864,-62.619 20.798,-64.554 v1(31.992,-64.554) 32.588,-64.554 44.505,-52.637 v1(45.303,-52.637)
SCL: J11.9 R20.1 U4.43 | length 28.2
  Top Layer w0.254: v1(35.327,-35.44) 35.327,-23.1 35.08,-22.853 35.08,-21.96 U4.43@35.034,-21.915 35.034,-19.876 35.346,-19.564 R20.1@35.346,-17.905
  Bottom Layer w0.254: v1(35.327,-35.44) 35.327,-44.966 J11.9@35.937,-45.576
SD-CSEL: J2.4 U4.19 | length 22.8
  Top Layer w0.254: U4.19@45.084,-26.465 48.017,-26.465 v1(48.664,-25.817) ; v1(49.35,-19.464) 49.35,-7.803 49.607,-7.547 J2.4@49.389,-7.329
  Bottom Layer w0.254: v1(48.664,-25.817) 49.35,-25.131 v1(49.35,-19.464)
SD-DET: J2.7 U4.35 | length 22
  Top Layer w0.254: U4.35@39.034,-21.915 39.034,-20.543 38.079,-19.587 38.079,-9.901 38.592,-9.388 41.856,-9.388 43.057,-8.187 43.057,-6.041 J2.7@44.309,-4.789
SDA: J11.10 R21.1 U4.44 | length 38.3
  Top Layer w0.254: v1(28.515,-38.796) 28.548,-38.829 v1(28.548,-42.685) ; v1(33.815,-29.014) 34.534,-28.295 U4.44@34.534,-21.915 34.534,-19.92 33.97,-19.356 R21.1@33.97,-17.885
  Bottom Layer w0.254: v1(28.515,-38.796) 28.515,-34.343 33.815,-29.043 v1(33.815,-29.014) ; v1(28.548,-42.685) 32.346,-42.685 34.666,-45.005 34.666,-46.845 J11.10@35.937,-48.116
THERM0: C38.2 J53.2 R50.2 U4.82 | length 22.6
  Top Layer w0.254: R50.2@25.487,-45.388 27.497,-45.388 29.418,-43.468 v1(29.418,-42.041) ; v1(34.41,-38.484) 34.534,-38.359 U4.82@34.534,-37.015
  Top Layer w0.508: J53.2@18.364,-44.351 23.161,-44.351 C38.2@23.438,-44.629 24.728,-44.629 R50.2@25.487,-45.388
  Bottom Layer w0.254: v1(29.418,-42.041) 32.432,-42.041 34.41,-40.063 v1(34.41,-38.484)
THERM1: C37.2 J52.2 R49.2 U4.83 | length 20.1
  Top Layer w0.254: R49.2@25.487,-38.553 25.914,-38.126 28.762,-38.126 30.282,-39.646 34.513,-39.646 35.034,-39.124 U4.83@35.034,-37.015
  Top Layer w0.508: J52.2@18.364,-37.859 23.372,-37.859 C37.2@23.438,-37.793 24.728,-37.793 R49.2@25.487,-38.553
THERM2: C36.2 J51.2 R48.2 U4.84 | length 28.5
  Top Layer w0.254: R48.2@25.487,-32.268 25.55,-32.33 26.679,-32.33 27.107,-32.758 27.107,-35.818 28.009,-36.72 v1(30.39,-36.72) ; v1(29.841,-40.521) 30.269,-40.093 34.731,-40.093 35.534,-39.29 U4.84@35.534,-37.015
  Top Layer w0.508: J51.2@18.364,-31.454 23.384,-31.454 C36.2@23.438,-31.508 24.728,-31.508 R48.2@25.487,-32.268
  Bottom Layer w0.254: v1(29.841,-40.521) 30.39,-39.972 v1(30.39,-36.72)
THERM3: C35.2 J50.2 R47.2 U4.85 | length 36.6
  Top Layer w0.254: v1(35.979,-26.837) 36.034,-26.892 U4.85@36.034,-37.015
  Top Layer w0.508: J50.2@18.364,-24.972 19.797,-23.538 C35.2@23.438,-23.538 24.728,-23.538 R47.2@25.487,-24.298
  Bottom Layer w0.254: J50.2@18.364,-24.972 34.113,-24.972 v1(35.979,-26.837)
THERM4: C34.2 J49.2 R46.2 U4.86 | length 40.1
  Top Layer w0.254: U4.86@36.534,-37.015 36.538,-37.011 v1(36.538,-25.967)
  Top Layer w0.508: J49.2@18.364,-18.505 18.831,-18.039 18.831,-17.917 18.915,-17.832 C34.2@23.438,-17.832 24.728,-17.832 R46.2@25.487,-18.592
  Bottom Layer w0.254: J49.2@18.364,-18.505 29.076,-18.505 v1(36.538,-25.967)
USB-RXD: R30.1 U4.2 | length 41.3
  Top Layer w0.254: v1(16.572,-52.211) 17.584,-53.223 R30.1@17.982,-53.223 ; v1(40.414,-33.568) 42.423,-33.568 43.819,-34.965 U4.2@45.084,-34.965
  Bottom Layer w0.254: v1(16.572,-52.211) 16.964,-52.211 29.651,-39.524 29.651,-34.991 31.074,-33.568 v1(40.414,-33.568)
USB-TXD: R29.1 U4.3 | length 40.6
  Top Layer w0.254: v1(16.767,-50.896) 17.629,-51.757 R29.1@17.982,-51.757 ; v1(41.569,-32.976) 42.497,-32.976 43.969,-34.448 45.068,-34.448 U4.3@45.084,-34.465
  Bottom Layer w0.254: v1(16.767,-50.896) 17.542,-50.896 29.219,-39.22 29.219,-34.638 30.88,-32.976 v1(41.569,-32.976)
USB-VCC: C31.2 J36.1 J39.4 J45.3 Z1.2 | length 31.1
  Top Layer w0.635: J36.1@14.731,-61.242 15.437,-60.535 Z1.2@17.963,-60.535
  Top Layer w1.016: J39.4@10.677,-58.098 13.821,-61.242 J36.1@14.731,-61.242 14.731,-63.147 C31.2@12.362,-65.516 13.644,-66.797 21.305,-66.797 J45.3@26.588,-72.079
USB-XCK: U4.4